# Altium PCB PCB1.PcbDoc (part 2 of 3)
Units mm, origin at the board's own origin, x right, y up, seen from the top; angles counter-clockwise.
Board outline 100 x 72 mm, 4 copper layers (Top Layer(signal), Int1 (GND), Int2 (3v3), Bottom Layer(powersupply_signals)), stack 1.509 mm thick; 175 components, 113 nets, 586 pads, 227 vias.
Unrouted connection lines stored in the file: 49.
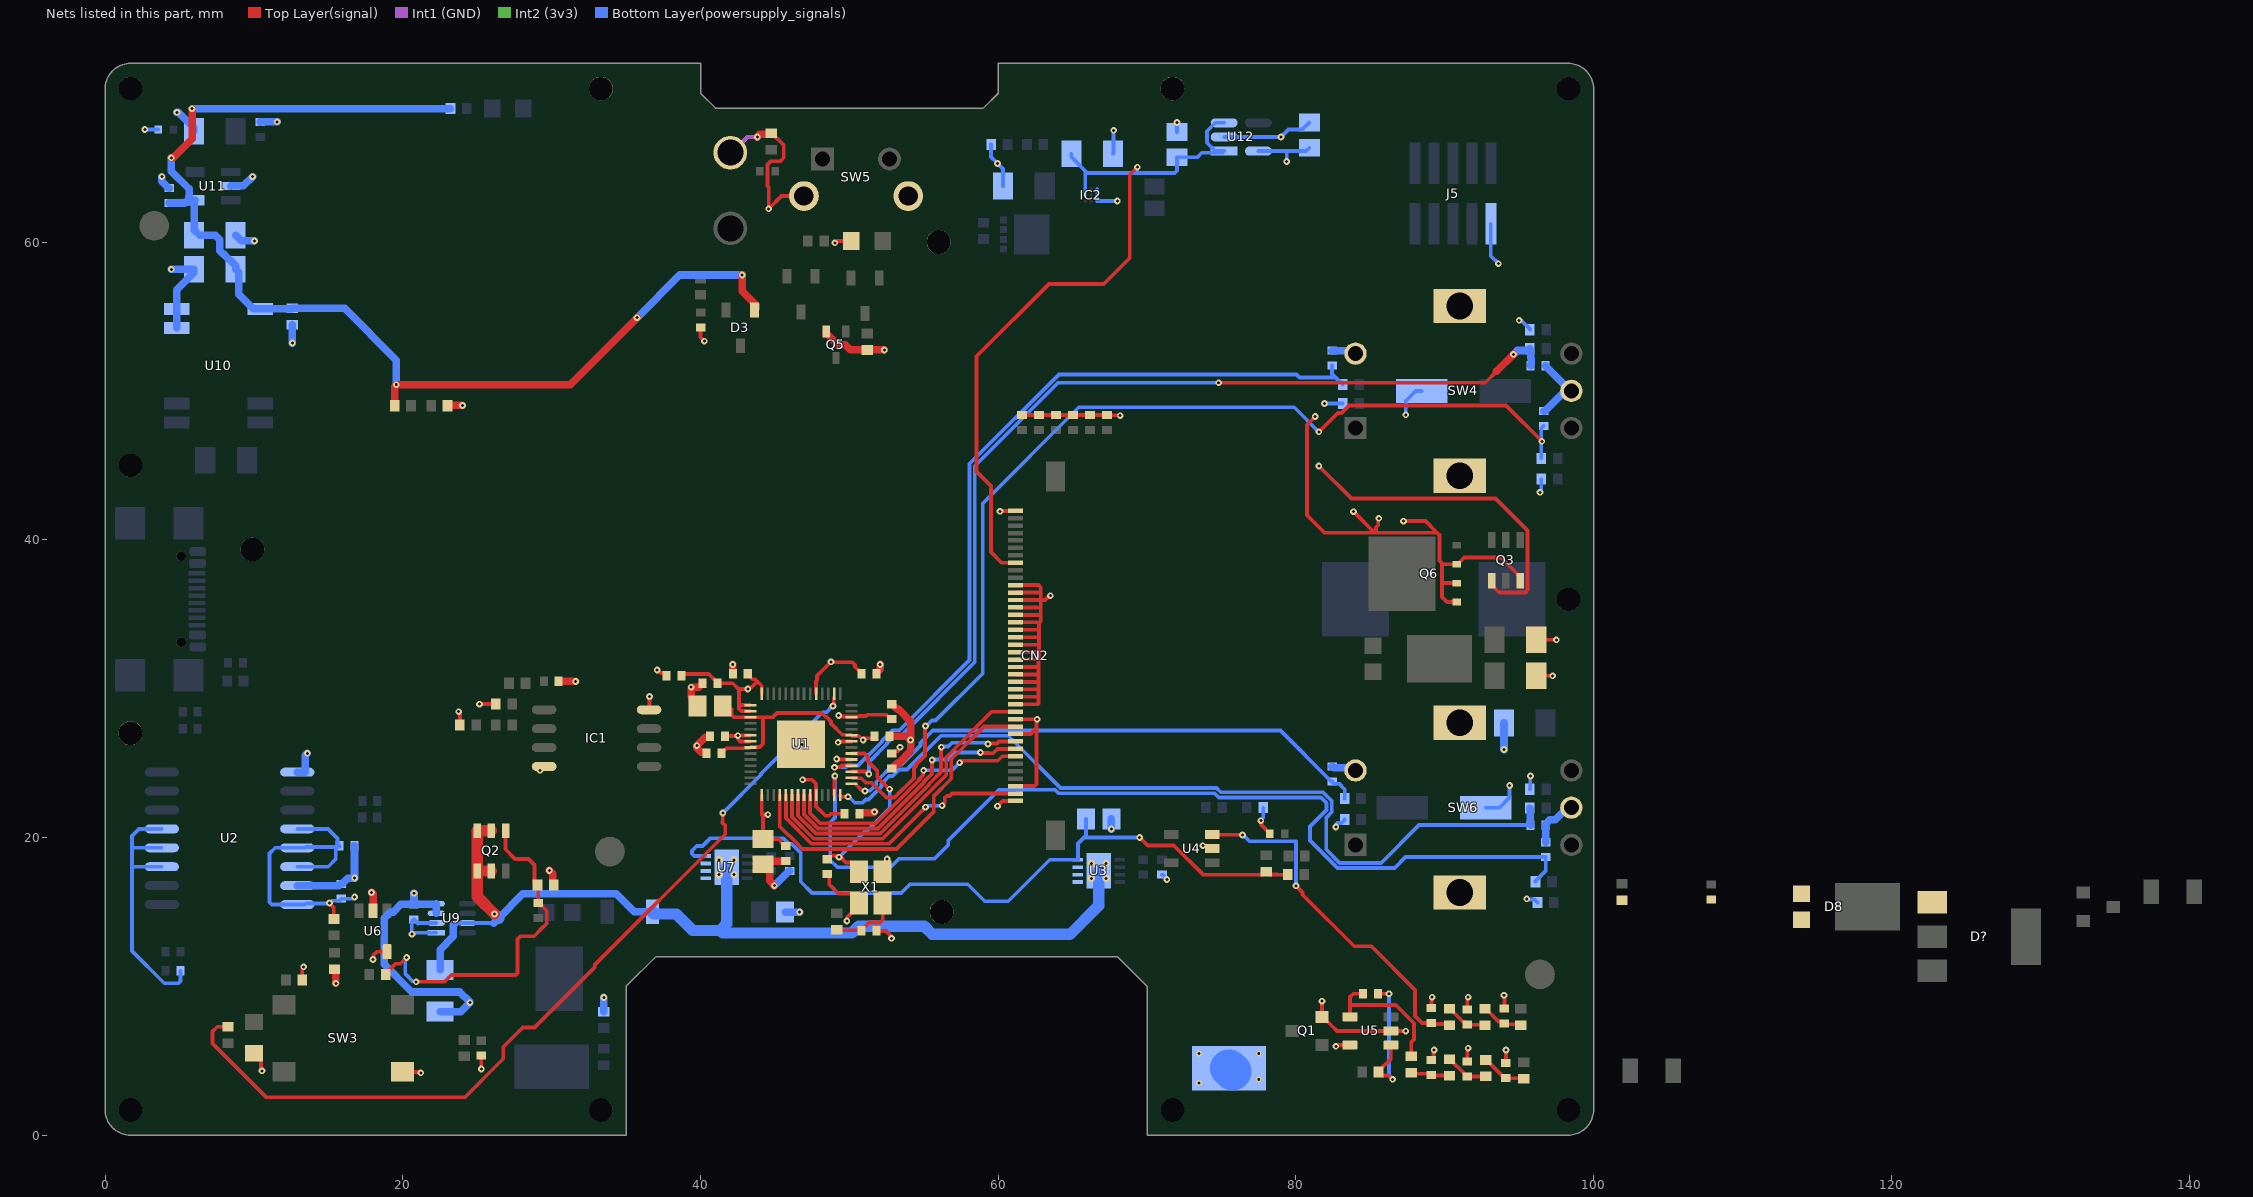
[diagram p4: the nets of this part, all layers, seen from the top]

## Part data (continued)
R8 R9 R10 R18 R20 R22 R23 R25 R29 R31 R39 R41 R42 R56 R59 R62: library part CMP-001-0000-9, "Surface Mount Chip Resistor, Thick Film, RC Series, 1 kohm, 62.5 mW, 1%, 50 V, 0402 [1005 Metric]", Case Code (Imperial)=0402, Case Code (Metric)=1005, LCSC Part#=C2935237, Max Operating Temperature=155°C, Min Operating Temperature=-55°C, Power Rating=62.5mW, Resistance=1k, Temperature Coefficient=100ppm/°C, Tolerance=1%, Voltage Rating=50V, Case/Package=0402, Composition="Thick Film", Depth=0.5mm, Height=0.32mm, Lead Free="Lead Free", Length=1mm, Military Standard=Not, Mount=SMD, Number of Pins=2, Packaging="Tape and Reel", REACH SVHC=Unknown, RoHS=Yes, Termination=SMD/SMT, Voltage Rating (DC)=50V, Width=0.5mm
R11: library part CMP-0001-00005-8, "Res Thick Film 0402 0 Ohm Molded SMD SMD Paper T/R", Case Code (Imperial)=0402, Case Code (Metric)=1005, LCSC Part#=C106231, Max Operating Temperature=155°C, Min Operating Temperature=-55°C, Power Rating=62.5mW, Resistance=0, Temperature Coefficient=200ppm/°C, Tolerance=1%, Voltage Rating=50V, Case/Package=0402, Composition="Thick Film", Contact Plating=Tin,Matte, Height=0.35mm, Lead Free="Lead Free", Length=1mm, Mount="Surface Mount", Packaging="Tape and Reel", Radiation Hardening=No, RoHS=Yes, Termination=SMD/SMT, Width=0.5mm
R12 R40 R44 R45 R64: library part CMP-0001-00006-6, "Res General Purpose Thick Film 0402 100K Ohm 1% 1/16W ±100ppm/°C Molded SMD Paper T/R", Case Code (Imperial)=0402, Case Code (Metric)=1005, LCSC Part#=C60491, Max Operating Temperature=155°C, Max Power Dissipation=63mW, Min Operating Temperature=-55°C, Package Quantity=1, Resistance=100k, Temperature Coefficient=100ppm/°C, Tolerance=1%, Voltage Rating=50V, Case/Package=0402, Composition="Thick Film", Depth=0.5mm, Features="Moisture Resistant", Height=0.016inch, Lead Free="Lead Free", Length=0.039inch, Military Standard=Not, Mount=SMD, Number of Terminations=2, Packaging="Tape and Reel", Power Rating=63mW, REACH SVHC="No SVHC", RoHS=Yes, Termination=SMD/SMT, Width=0.02inch, Working Voltage=50V
R13 R14 R15 R16 R53 R57: library part CMP-0001-00017-5, "Thick Film Resistors 24 OHM 1%", Case Code (Imperial)=0402, Case Code (Metric)=1005, LCSC Part#=C274890, Max Operating Temperature=155°C, Max Power Dissipation=63mW, Min Operating Temperature=-55°C, Resistance=24, Temperature Coefficient=100ppm/°C, Tolerance=1%, Voltage Rating=50V, Case/Package=0402, Composition="Thick Film", Depth=0.5mm, Features="Moisture Resistant", Height=0.016inch, Lead Free="Lead Free", Length=1mm, Military Standard=Not, Mount=SMD, Number of Pins=2, Number of Terminations=2, Packaging="Tape and Reel", Power Rating=63mW, REACH SVHC="No SVHC", RoHS=Yes, Termination=SMD/SMT, Voltage Rating (DC)=50V, Width=0.02inch, Working Voltage=50V
R26 R28 R30: library part CMP-001-0025-2, "Res General Purpose Thick Film 0402 2.7k Ohm 1% 1/16W ±100ppm/°C Molded Paper T/R", Case Code (Imperial)=0402, Case Code (Metric)=1005, LCSC Part#=C138017, Max Operating Temperature=155°C, Min Operating Temperature=-55°C, Power Rating=62.5mW, Resistance=2.7k, Temperature Coefficient=100ppm/°C, Tolerance=1%, Voltage Rating=50V, Case/Package=0402, Composition="Thick Film", Depth=0.5mm, Height=0.016inch, Lead Free="Lead Free", Length=0.039inch, Military Standard=Not, Mount=SMD, Packaging="Tape and Reel", REACH SVHC=Unknown, RoHS=Yes, Termination=SMD/SMT, Weight=2.3E-05oz, Width=0.02inch
R32 R33 R34 R35 R36 R37: library part CMP-001-0026-2, "Res Thick Film RC0402FR-07820KL 0402 820K Ohm 1% 0.063W(1/16W) ±100ppm/°C Pad SMD T/R", Case Code (Imperial)=0402, Case Code (Metric)=1005, LCSC Part#=C273727, Max Operating Temperature=155°C, Min Operating Temperature=-55°C, Power Rating=63mW, Resistance=820k, Temperature Coefficient=100ppm/°C, Tolerance=1%, Voltage Rating=50V, Case/Package=0402, Composition="Thick Film", Depth=0.5mm, Height=0.016inch, Lead Free="Lead Free", Lead Pitch=0.2mm, Length=1mm, Military Standard=Not, Mount=SMD, Number of Pins=2, Number of Terminations=2, Packaging="Tape and Reel", REACH SVHC=Unknown, RoHS=Yes, Termination=SMD/SMT, Voltage Rating (DC)=50V, Width=0.5mm, Working Voltage=50V
R43: library part CMP-0001-00007-5, "RES SMD 10 OHM 1% 1/16W 0402", Case Code (Imperial)=0402, Case Code (Metric)=1005, LCSC Part#=C138066, Max Operating Temperature=155°C, Min Operating Temperature=-55°C, Power Rating=63mW, Resistance=10, Temperature Coefficient=100ppm/°C, Tolerance=1%, Voltage Rating=50V, Case/Package=0402, Composition="Thick Film", Depth=0.5mm, Height=0.32mm, Lead Free="Lead Free", Length=1mm, Military Standard=Not, Mount=SMD, Number of Terminations=2, Packaging="Tape and Reel", REACH SVHC=Unknown, RoHS=Yes, Termination=SMD/SMT, Working Voltage=50V
R54: library part CMP-0001-00003-4, "Precision resistor, SMD 0.1 Ohm 0.33 W  ±  1 % 1206, ERJ8BSFR10V, Panasonic Automotive & Industrial Systems", Case Code (Imperial)=1206, Case Code (Metric)=3216, LCSC Part#=C2079636, Max Operating Temperature=125°C, Max Power Dissipation=500mW, Min Operating Temperature=-55°C, Package Quantity=5000, Power Rating=330mW, Resistance=0.1, Temperature Coefficient=250ppm/°C, Tolerance=1%, Case/Package=1206, Composition="Thick Film,Low-Ohm-Resistor", Contact Plating=Tin, Depth=1.6mm, Features="Automotive AEC-Q200", Height=0.6mm, Length=3.2mm, Military Standard=Not, Mount="Surface Mount", Number of Pins=2, Number of Terminations=2, Packaging="Tape and Reel", Radiation Hardening=No, REACH SVHC="No SVHC", RoHS=Yes, Termination=SMD/SMT, Width=0.063inch
R55: library part CMP-0001-00022-4, "Res Thick Film 0402 249 Ohm 1% 1/16W ±100ppm/°C Molded SMD Paper T/R", Case/Package=0402, LCSC Part#=C185439, Resistance=249, Tolerance=1%, Mount=SMD, RoHS=Yes
SW3: library part CMP-ROOT-00020-2, Case/Package=smd, LCSC Part#=C221880, Mount=SMD, RoHS=Yes
SW4 SW6: library part CMP-ROOT-00012-4, "BOURNS - PEC11R-4215F-S0024 - Rotary Encoder, Mechanical, Incremental, 24 PPR, 24 Detents, Vertical, With Momentary Push Switch", Case/Package=encoder, LCSC Part#=C143790, Max Operating Temperature=70°C, Min Operating Temperature=-30°C, Package Quantity=150, Built in Switch=Yes, Detent=Yes, Encoder Type=Mechanical, Height=13.4mm, Hole Diameter=1.8mm, Length=21.5mm, Mount="Through Hole,Panel,PCB", Number of Channels=2, Orientation=Vertical, Output Type=Quadrature,Incremental, Packaging=Bulk, Pins=5, Pulses per Revolution=24, Radiation Hardening=No, REACH SVHC="No SVHC", RoHS=Yes, Termination="PC Pins", Type=Mechanical, Width=12.5mm
SW5: library part CMP-ROOT-00037-2, "Switch Tactile OFF (ON) SPST Round Button PC Pins 0.05A 24VDC 1.57N Thru-Hole Loose Piece", Case/Package="Side Actuated", LCSC Part#=C266196, Mount="Through Hole", RoHS=Yes
TP1 TP2 TP3: library part CMP-003-0009-3, "2 mm singel sided testpoint", LCSC Part#=-, Mount=TH, Number of Positions=1, RoHS=Yes, System=Connector
U1: library part CMP-ROOT-00039-8, "ARM® Cortex®-M0+ series Microcontroller IC 32-Bit Dual-Core 133MHz - External Program Memory 56-QFN (7x7)", Case/Package="56-VFQFN Exposed Pad", LCSC Part#=C2040, Mount=SMD, RoHS=Yes
U2: library part CMP-00003-7, "Digital Isolator CMOS 4-CH 12Mbps 16-Pin SOIC T/R", Case/Package=SOIC, Isolated Power=No, LCSC Part#=C660968, Max Operating Temperature=105°C, Max Supply Voltage=5.5V, Min Operating Temperature=-40°C, Min Supply Voltage=3.1V, Nominal Supply Current=6mA, Package Quantity=1000, Channel Type=Bidirectional, Contact Plating=Tin,Matte, Data Rate=12Mbps, Lead Free="Contains Lead", Number of Channels=2, Number of Pins=16, Packaging="Tape and Reel", Propagation Delay=70ns, Turn-On Delay Time=60ns
U3 U7: library part CMP-00012-3, "LDO Regulator Pos 0V to 36V 1.1A 8-Pin DFN EP T/R", Case/Package=DFN, Dropout Voltage=1.35V, LCSC Part#=C670293, Max Input Voltage=36V, Max Operating Temperature=125°C, Min Current Limit=1.1A, Min Input Voltage=1.2V, Min Operating Temperature=-40°C, Operating Supply Current=300uA, Package Quantity=2500, Quiescent Current=500uA, Number of Outputs=1, Number of Pins=8, Number of Regulators=1, Output Current=1.1A, Output Voltage=36V, Packaging="Tape and Reel", Polarity=Positive, RoHS Compliant=Yes
U4 U5 U6: library part CMP-ROOT-0004-3, "Op Amp Single Precision Amplifier R-R I/O ±18V/36V Automotive 5-Pin SOT-23 T/R", Case/Package=SOT-23, Input Bias Current=103nA, Input Offset Voltage (Vos)=8mV, LCSC Part#=-, Max Dual Supply Voltage=16V, Max Operating Temperature=85°C, Max Power Dissipation=350mW, Max Supply Voltage=32V, Min Dual Supply Voltage=900mV, Min Operating Temperature=-40°C, Min Supply Voltage=1.8V, Nominal Supply Current=600uA, Operating Supply Current=720uA, Output Current=11mA, Output Current per Channel=11.7mA, Package Quantity=1, Power Supply Rejection Ratio (PSRR)=87dB, Voltage Gain=97.03dB, Bandwidth=4MHz, Common Mode Rejection Ratio=70dB, Contact Plating=Tin,Lead, Gain Bandwidth Product=4MHz, Lead Free="Contains Lead", Mount="Surface Mount", Number of Amplifiers=1, Number of Channels=1, Number of Circuits=1, Number of Elements=1, Number of Pins=5, Packaging="Tape and Reel", Power Dissipation=350mW, Radiation Hardening=No, REACH SVHC="No SVHC", RoHS=Yes, Slew Rate=1.25V/µs, Unity Gain Bandwidth Product=4MHz
U9: library part CMP-ROOT-00032-7, "40V, bi-directional, high-precision current sense amplifier w/ picoamp IB & ENABLE 8-SOT-23-THIN -40 to 125", Case/Package=SOT-23-8, LCSC Part#=C1852082, Mount=SMD, RoHS=Yes
U10: library part CMP-ROOT-00029-2, "DC DC Converter 5V 1W", Case/Package="14-SMD Module, 7 Leads", LCSC Part#=C919693, Mount=SMD, RoHS=Yes
U11: library part CMP-006-0003-5, "BATTERY CHARGER, 500mA, SOT23-5; Battery Type:Li-Ion, Li-Pol; Input Voltage:6V; Battery Charge Voltage:4.2V; Charge Current Max:500mA; Battery IC Case Style:SOT-23; No. of Pins:5; No. of Series Cells:1; Operating Temperature Max:85 C", Case/Package=SOT-23, LCSC Part#=C38066, Max Charge Current=500mA, Max Input Voltage=6V, Max Operating Temperature=85°C, Max Output Voltage=4.5V, Max Power Dissipation=1.54W, Min Operating Temperature=-40°C, Min Output Voltage=4.168V, Min Supply Voltage=3.75V, Output Current=10mA, Output Voltage=4.2V, Package Quantity=3000, Contact Plating=Tin,Matte, Height=1.3mm, Lead Free="Lead Free", Length=3.1mm, Max Output Current=500mA, Max Supply Voltage=6V, Mount="Surface Mount", Number of Cells=1, Number of Channels=1, Number of Outputs=1, Number of Pins=5, Packaging="Tape and Reel", Power Dissipation=1.54W, Radiation Hardening=No, REACH SVHC="No SVHC", Termination=SMD/SMT, Width=1.8mm
U12: library part CMP-00004-2, "300mA Low-Dropout (LDO) Regulator 5-SOT-23 -40 to 125", Case/Package=SOT-23-5, Dropout Voltage=270mV, LCSC Part#=C408972, Max Input Voltage=5.5V, Max Operating Temperature=125°C, Min Operating Temperature=-40°C, Min Output Voltage=3.3V, Output Current=300mA, Power Supply Rejection Ratio (PSRR)=28dB, Quiescent Current=60uA, Mount="Surface Mount", Number of Regulators=1, Output Configuration=Positive, Output Type=Fixed, Packaging="Cut Tape"
X1: library part CMP-ROOT-00046-2, "Crystal 12MHz ±30ppm (Tol) ±30ppm (Stability) 18pF FUND 80Ohm 4-Pin SMD T/R", Case/Package=SMD/SMT, LCSC Part#=C1985665, Mount="Surface Mount", RoHS=Yes

## Free pads (board coordinates)
  round 1.6 hole 1.6: 0(1.7,1.7) 0(1.7,27) 0(1.7,45) 0(9.9,39.35) 0(33.3,1.7) 0(33.3,70.3) 0(56,60) 0(56.2,15) 0(71.7,1.7) 0(71.7,70.3) 0(98.3,36) 1(98.3,1.7) 2(98.3,70.3) 3(1.7,70.3)

## Via types
v1: diameter 0.45, hole 0.2, Top Layer(signal) to Bottom Layer(powersupply_signals), tented both sides, 207 vias
v2: diameter 0.4, hole 0.2, Top Layer(signal) to Bottom Layer(powersupply_signals), tented both sides, 12 vias
v3: diameter 0.5, hole 0.2, Top Layer(signal) to Bottom Layer(powersupply_signals), tented both sides, 8 vias

## Nets (pads, with @x,y where several pads share a name; then routed paths per layer and width w, separated by ;. In a path a pad name is that pad's centre, name@x,y a point inside that pad or via, vN(x,y) a via of type N, cw(c..) or ccw(c..) an arc to the next point about the centre after c; other vN are vias at no path point)
1V1: C3.2 C4.2 C5.2 U1.23 U1.45 U1.50 | length 16.7
  Top Layer(signal) w0.254: C4.2@41.394,25.654 41.394,25.704 41.537,25.847 41.587,25.847 41.724,25.984 42.914,25.984 42.939,26.009 43.308,26.009 U1.50@43.346,26.047 43.385,26.085 43.992,26.085 44.196,26.289 44.196,28.067 ; C3.2@41.49,28.829 41.709,28.61 42.09,28.61 42.09,28.228 42.239,28.079 U1.45@43.346,28.079 43.358,28.067 44.196,28.067 ; C5.2@51.697,26.797 51.57,26.67 50.969,26.67 50.969,26.585 v1(50.927,26.543) 50.77,26.699 50.762,26.699 50.665,26.796 50.652,26.796 50.626,26.822 50.192,26.822 50.116,26.898 49.524,26.898 48.768,27.653 48.768,27.792 48.455,28.104 48.392,28.104 48.133,28.363 45.127,28.363 44.831,28.067 44.196,28.067
3V3: C6.2 C7.2 C8.2 C9.2 C10.2 C11.2 C12.2 C13.2 C14.2 C16.2 C26.1 C27.1 C41.2 C48.2 CN2.3 CN2.10 CN2.12 IC1.8 Q3.1 R7.2 R17.2 R19.2 R21.2 R40.2 R47.2 R49.2 R51.2 R58.2 U1.1 U1.10 U1.22 U1.26 U1.33 U1.42 U1.43 U1.44 U1.48 U1.49 U2.12 U2.13 U2.14 U2.16 U5.5 U6.5 U9.1 U9.2 U12.5 | length 107.6
  Top Layer(signal) w0.254: R47.2@13.25,10.414 13.25,11.218 v1(13.335,11.303) ; v1(15.08,15.591) 15.08,15.538 15.367,15.251 R40.2@15.367,14.52 ; v1(18,11.8) 18.038,11.838 18.038,12.094 18.269,12.325 U6.5@18.95,12.325 ; v1(25.146,28.956) R7.2@26.247,28.956 ; IC1.8@36.545,28.575 36.576,28.606 v1(36.576,29.464) ; C12.2@38.727,30.861 38.854,30.988 40.555,30.988 C11.2@41.14,30.403 ; C11.2@41.14,30.353 42.164,30.353 42.582,29.935 ; C41.2@41.648,26.797 41.666,26.815 42.484,26.815 v1(42.503,26.834) ; C7.2@43.172,30.988 43.172,30.938 43.481,30.629 43.666,30.629 43.815,30.48 ; U1.49@43.346,26.453 42.651,26.453 42.54,26.564 42.54,26.796 v1(42.503,26.834) ; U1.48@43.346,26.86 43.334,26.847 42.516,26.847 v1(42.503,26.834) ; U1.44@43.346,28.485 42.731,28.485 42.582,28.634 42.582,28.892 ; U1.43@43.346,28.892 42.582,28.892 ; U1.1@44.108,22.846 44.108,21.533 ; U1.42@44.108,29.654 44.108,30.187 43.815,30.48 ; v1(44.52,21.533) 44.108,21.533 ; C13.2@45.72,19.423 45.67,19.423 45.392,19.701 45.392,19.751 45.243,19.9 C6.2@44.196,19.9 44.196,21.445 44.108,21.533 ; v1(46.863,23.876) 47.498,23.876 47.766,23.608 U1.10@47.766,22.846 47.766,22.084 48.387,21.463 48.641,21.463 48.768,21.59 C10.2@49.665,21.59 ; U1.33@47.766,29.654 47.766,30.494 47.828,30.556 47.828,30.859 v1(48.768,31.799) 48.792,31.775 50.199,31.775 50.378,31.595 50.378,31.468 50.808,31.038 C14.2@50.808,30.988 ; v1(49.247,26.387) 49.3,26.387 49.366,26.453 U1.22@50.154,26.453 ; v1(49.276,28.194) 49.329,28.194 49.406,28.117 50.116,28.117 U1.26@50.154,28.079 50.192,28.117 50.566,28.117 50.591,28.142 50.665,28.142 50.68,28.157 51.118,28.157 51.204,28.243 52.487,28.243 52.782,27.948 C9.2@52.832,27.948 ; C8.2@52.832,25.646 52.975,25.789 53.257,25.789 53.257,25.857 53.406,26.006 v1(53.406,26.059) ; CN2.3@61.15,23.45 62.425,23.45 62.573,23.599 62.573,27.341 ; CN2.10@61.15,26.95 62.182,26.95 62.573,27.341 ; CN2.12@61.15,27.95 61.16,27.94 61.165,27.945 62.606,27.945 v1(62.611,27.94) 62.573,27.902 62.573,27.341 ; v1(81.534,44.958) 83.725,42.767 93.407,42.767 95.561,40.613 95.561,36.603 95.412,36.454 93.661,36.454 93.157,36.958 Q3.1@93.157,37.233 ; v1(82.677,5.969) 82.758,6.05 U5.5@83.625,6.05 ; 42.582,28.892 42.582,29.935 ; 42.582,29.935 42.619,29.972 43.233,29.972 43.331,30.07 43.405,30.07 43.815,30.48
  Bottom Layer(powersupply_signals) w0.254: U2.14@12.91,18.034 14.986,18.034 15.494,18.542 C26.1@15.494,19.359 ; U2.12@12.91,20.574 14.971,20.574 15.613,19.932 15.613,19.574 C26.1@15.756,19.431 ; C26.1@15.756,19.381 C26.1@15.756,19.431 ; C27.1@15.875,15.883 15.732,15.74 15.282,15.74 15.133,15.591 v1(15.08,15.591) 15.042,15.553 13.499,15.553 13.44,15.494 U2.16@12.91,15.494 11.198,15.494 11.049,15.643 11.049,18.923 11.43,19.304 U2.13@12.91,19.304 13.44,19.304 13.495,19.359 C26.1@15.494,19.359 ; C27.1@15.925,15.883 16.643,15.883 16.762,16.002 v1(16.764,16.002) ; v1(20.623,13.5) 20.605,13.518 20.605,14.357 20.748,14.5 C48.2@20.75,14.5 21.025,14.225 ; v1@20.65,13.6 U9.1@22.25,13.6 ; C48.2@21.05,14.25 U9.2@22.25,14.25 ; v1(53.406,26.059) v1@53.443,26.059 ; U12.5@77.477,66.106 79.375,66.106 ; v1(79.375,65.405) 79.375,66.106 ; C16.2@80.899,66.333 80.672,66.106 79.375,66.106 ; v1(81.915,49.149) R51.2@83.143,49.149 ; v1(82.677,20.701) 82.715,20.739 82.715,20.904 82.772,20.961 83.072,20.961 83.27,21.159 R49.2@83.27,21.209 ; v1(94.996,54.737) 95.131,54.737 95.716,54.152 R21.2@95.716,54.102 ; v1(95.504,15.875) 95.542,15.837 96.026,15.837 96.224,15.639 R17.2@96.224,15.621 ; R58.2@95.716,23.241 95.737,23.262 95.737,24.109 v1(95.758,24.13) ; v1(96.393,43.18) 96.393,43.233 96.478,43.318 R19.2@96.478,44.069 ; C26.1@15.494,19.359 15.685,19.359 C26.1@15.756,19.431
  other v1: 43.18,29.972
5V: C15.2 C47.2 CN2.33 IC2.A1 IC2.A2 U12.1 U12.3 | length 52.4
  Top Layer(signal) w0.254: CN2.33@61.15,38.45 60.229,38.45 59.514,39.165 59.514,43.61 58.547,44.577 58.547,52.324 63.41,57.187 67.093,57.187 68.834,58.928 68.834,64.516 v1(69.342,65.024)
  Bottom Layer(powersupply_signals) w0.254: C47.2@64.911,65.931 64.911,65.706 65.85,64.767 ; IC2.A2@65.85,63.15 IC2.A1@65.85,63.55 65.85,64.643 65.85,64.767 ; v1(69.342,65.024) 69.343,65.023 69.343,64.643 ; U12.3@75.177,68.006 74.58,68.006 74.02,67.446 74.02,66.666 74.58,66.106 U12.1@75.177,66.106 75.064,65.994 73.673,65.994 73.377,65.698 C15.2@72.009,65.698 72.009,64.792 71.86,64.643 69.343,64.643 ; 65.85,64.767 65.974,64.643 69.343,64.643
DISPLAY_D/C: CN2.8 U1.8 | length 18.7
  Top Layer(signal) w0.254: U1.8@46.953,22.846 46.953,21.543 47.892,20.604 51.93,20.604 55.02,23.694 55.02,23.752 55.548,24.28 55.548,24.742 ; 55.548,24.742 55.548,25.192 v1(55.558,25.202) ; v1(58.801,25.703) 58.839,25.665 59.4,25.665 59.411,25.654 59.652,25.654 59.948,25.95 CN2.8@61.15,25.95
  Bottom Layer(powersupply_signals) w0.254: v1(55.558,25.202) 55.587,25.231 56.639,25.231 57.111,25.703 v1(58.801,25.703)
DISPLAY_NCS: CN2.9 U1.7 | length 20.1
  Top Layer(signal) w0.254: U1.7@46.547,22.846 46.547,21.463 47.749,20.26 52.073,20.26 55.364,23.552 55.364,23.61 56.159,24.405 56.159,26.056 v1(56.172,26.069) ; v1(59.309,26.277) 59.347,26.315 59.907,26.315 60.042,26.45 CN2.9@61.15,26.45
  Bottom Layer(powersupply_signals) w0.254: v1(56.172,26.069) 56.209,26.106 56.626,26.106 56.887,26.367 59.166,26.367 59.256,26.277 v1(59.309,26.277)
DISPLAY_RST: CN2.7 U1.9 | length 17.4
  Top Layer(signal) w0.254: U1.9@47.36,22.846 47.36,21.623 48.034,20.948 51.788,20.948 54.676,23.837 54.676,23.895 54.967,24.186 54.967,24.487 v1(54.991,24.511) ; v1(57.404,25.019) 57.531,25.146 59.966,25.146 60.269,25.449 CN2.7@61.15,25.45 CN2.7@61.15,25.45
  Bottom Layer(powersupply_signals) w0.254: v1(54.991,24.511) 56.896,24.511 v1(57.404,25.019)
DISPLAY_SCL: CN2.11 U1.4 | length 23.4
  Top Layer(signal) w0.254: U1.4@45.328,22.846 45.328,20.734 45.923,20.138 45.954,20.138 46.549,19.543 46.549,19.512 46.833,19.228 53.163,19.228 55.674,21.74 55.674,22.775 56.847,23.948 56.847,25.25 59.047,27.45 CN2.11@61.15,27.45
DISPLAY_SDI: CN2.2 U1.5 | length 19.3
  Top Layer(signal) w0.254: U1.5@45.734,22.846 45.734,21.303 47.464,19.572 52.659,19.572 v1(55.117,22.031) ; v1(56.231,22.131) 56.231,22.184 56.399,22.352 56.399,22.651 56.54,22.792 56.739,22.792 56.897,22.95 CN2.2@61.15,22.95
  Bottom Layer(powersupply_signals) w0.254: v1(55.117,22.031) 55.17,22.031 55.271,22.131 v1(56.231,22.131)
DISPLAY_SDO: CN2.13 U1.6 | length 21.3
  Top Layer(signal) w0.254: U1.6@46.14,22.846 46.14,21.383 47.607,19.916 52.215,19.916 56.503,24.204 56.503,25.392 59.561,28.45 CN2.13@61.15,28.45
ENCODER_A_CURRENT: C17.2 R18.1 U1.13 | length 65.2
  Top Layer(signal) w0.254: U1.13@48.985,22.846 49.004,22.865 49.004,24.112 v1(49.022,24.13)
  Bottom Layer(powersupply_signals) w0.254: v1(49.022,24.13) 49.035,24.117 49.035,21.338 48.719,21.022 48.719,18.469 49.194,17.994 52.768,17.994 53.349,18.575 55.731,18.575 56.642,19.486 56.642,19.786 60.06,23.204 63.813,23.204 64.044,22.973 74.523,22.973 74.808,22.688 81.675,22.688 81.855,22.508 81.859,22.508 82.057,22.31 82.057,21.849 80.936,20.728 80.936,19.797 82.789,17.944 86.632,17.944 87.365,18.677 C17.2@96.774,18.677 96.774,17.745 96.097,17.068 R18.1@96.097,17.018
ENCODER_A_VOLTAGE: C28.2 R20.1 U1.16 | length 70.7
  Top Layer(signal) w0.254: U1.16@50.154,24.015 50.192,23.977 50.801,23.977 51.106,23.671 51.487,23.671 52.474,22.684 53.037,22.684 54.332,23.979 54.332,24.64 54.483,24.791 54.483,24.892 55.081,25.49 55.081,27.444 v1(55.118,27.481) ; v1(81.534,47.244) 82.804,48.514 83.052,48.514 83.56,49.022 94.11,49.022 v1(96.52,46.612)
  Bottom Layer(powersupply_signals) w0.254: v1(55.118,27.481) 55.171,27.481 55.538,27.848 55.788,27.848 58.965,31.025 58.965,42.455 65.405,48.895 79.883,48.895 v1(81.534,47.244) ; R20.1@96.478,45.466 v1@96.478,46.609 ; v1@96.478,46.612 96.478,47.49 96.621,47.633 C28.2@96.647,47.633 ; v1@96.52,46.609 v1(96.52,46.612)
ENCODER_B_CURRENT: C18.2 R59.1 U1.14 | length 56.8
  Top Layer(signal) w0.254: U1.14@49.392,22.846 49.392,22.771 49.43,22.733 v1(49.911,22.733)
  Bottom Layer(powersupply_signals) w0.254: v1(49.911,22.733) 49.962,22.733 50.365,22.33 50.879,22.33 51.106,22.557 51.285,22.557 52.148,23.42 52.148,23.599 52.679,24.13 52.908,24.13 53.338,24.56 53.875,24.56 56.149,26.834 60.669,26.834 64.186,23.317 74.665,23.317 74.95,23.032 81.818,23.032 81.998,22.852 82.001,22.852 82.401,22.452 82.401,21.706 82.042,21.347 82.042,19.177 82.931,18.288 85.725,18.288 88.265,20.828 C18.2@95.766,20.828
  Bottom Layer(powersupply_signals) w0.508: R59.1@95.716,21.971 95.716,21.944 95.75,21.91 95.75,20.844 C18.2@95.766,20.828
ENCODER_B_VOLTAGE: C29.2 R22.1 U1.17 | length 66.9
  Top Layer(signal) w0.254: U1.17@50.154,24.421 51.091,24.421 51.255,24.257 v1(51.308,24.257) ; v1(74.803,50.546) 92.71,50.546 93.472,51.308
  Top Layer(signal) w0.508: 93.472,51.308 v1(94.615,52.451)
  Bottom Layer(powersupply_signals) w0.254: v1(51.308,24.257) 51.308,25.068 52.529,26.289 52.529,26.354 53.03,26.855 53.499,26.855 58.42,31.776 58.42,44.958 64.008,50.546 v1(74.803,50.546)
  Bottom Layer(powersupply_signals) w0.508: v1(94.615,52.451) 94.875,52.711 95.645,52.711 R22.1@95.716,52.782 ; R22.1@95.716,52.832 R22.1@95.716,52.782 ; C29.2@95.766,51.689 95.766,51.739 95.819,51.792 95.819,52.203 95.787,52.235 95.787,52.711 R22.1@95.716,52.782
ENCODER_SWITCH_CURRENT: C45.2 R50.2 U1.15 | length 37.2
  Top Layer(signal) w0.254: U1.15@50.433,23.57 50.852,23.152 51.016,23.152 v1(51.054,23.114)
  Bottom Layer(powersupply_signals) w0.254: v1(51.054,23.114) 51.078,23.138 51.379,23.138 51.804,23.563 51.804,23.741 52.967,24.904 53.505,24.904 54.777,26.177 54.777,26.352 55.603,27.178 78.952,27.178 82.373,23.757 C45.2@82.423,23.757 82.566,23.614 82.886,23.614 83.273,23.227 83.273,22.609 R50.2@83.27,22.606
ENCODER_SWITCH_VOLTAGE: C46.2 R52.2 U1.18 | length 55.2
  Top Layer(signal) w0.254: v1(49.002,24.709) 49.009,24.716 49.38,24.716 49.491,24.828 U1.18@50.154,24.828
  Bottom Layer(powersupply_signals) w0.254: v1(49.002,24.709) 49.742,24.709 49.861,24.828 50.582,24.828 52.185,26.431 52.185,26.496 52.888,27.199 53.357,27.199 58.076,31.918 58.076,45.1 64.079,51.103 80.046,51.103 80.243,50.906 82.656,50.906 ; C46.2@82.423,51.697 82.423,51.139 82.656,50.906 ; R52.2@83.143,50.419 83.143,50.469 82.945,50.667 82.895,50.667 82.656,50.906
GND: C1.1 C2.1 C3.1 C4.1 C5.1 C6.1 C7.1 C8.1 C9.1 C10.1 C11.1 C12.1 C13.1 C14.1 C15.1 C16.1 C17.1 C18.1 C19.2 C20.2 C21.1 C22.1 C26.2 C27.2 C28.1 C29.1 C30.1 C31.1 C32.1 C33.1 C34.1 C35.1 C37.1 C38.1 C39.1 C41.1 C42.1 C43.1 C44.1 C45.1 C46.1 C47.1 C48.1 C49.1 C50.1 C52.1 C53.1 C54.1 C55.1 C56.1 C57.1 C58.1 C59.1 CN2.1 CN2.14 CN2.15 CN2.16 CN2.17 CN2.18 CN2.19 CN2.20 CN2.21 CN2.22 CN2.23 CN2.24 CN2.25 CN2.26 CN2.27 CN2.28 CN2.29 CN2.30 CN2.40 D8.2 D?.1 IC1.4 IC2.C1 IC2.C2 IC2.C3 J2.2 J4.1 J5.1 LED1.1 LED4.1 pad.0@1.7,27 pad.0@9.9,39.35 pad.0@33.3,70.3 pad.0@56,60 pad.0@56.2,15 pad.0@71.7,70.3 Q1.2 Q3.3 Q5.2 Q6.1 R1.2 R2.2 R3.2 R4.2 R5.2 R6.2 R11.1 R25.1 R26.1 R28.1 R41.1 R43.1 R45.2 R55.1 R61.1 R62.1 R65.1 R70.1 R75.1 SW3.4 SW4.2 SW4.4 SW4.6 SW4.7 SW5.3 SW5.4 SW6.2 SW6.4 SW6.6 SW6.7 U1.19 U1.57 U2.9 U2.15 U4.2 U5.2 U6.2 U9.3 U9.4 U10.6 U10.7 U11.2 U12.2 X1.2 X1.4 | length 237.6
  Top Layer(signal) w0.254: LED4.1@10,5.5 10.05,5.5 10.473,5.077 10.473,4.439 10.541,4.371 v1(10.541,4.318) ; SW3.4@19.975,4.25 21.15,4.25 v1(21.209,4.191) ; v1(23.749,28.448) 23.834,28.363 R11.1@23.834,27.559 ; v1(25.273,4.445) C44.1@25.273,5.342 ; v1(37.084,31.242) 37.137,31.242 37.325,31.054 37.584,31.054 37.727,30.911 C12.1@37.727,30.861 ; C43.1@40,54.25 40,53.599 v1(40.259,53.34) ; R75.1@44.75,67.3 44.8,67.3 45.593,66.507 45.593,65.659 45.366,65.432 44.731,65.432 44.504,65.205 44.504,63.743 44.577,63.67 v1(44.577,62.23) 45.437,63.09 SW5.3@46.945,63.09 ; C1.1@48.514,17.534 48.641,17.407 48.641,16.842 48.821,16.662 48.829,16.662 49.223,16.268 49.276,16.268 ; v1(49.022,59.944) 49.075,59.944 49.202,60.071 LED1.1@50.131,60.071 ; v1(49.149,25.273) 49.188,25.234 U1.19@50.154,25.234 ; 49.293,16.23 49.367,16.23 49.387,16.21 50.162,16.21 50.635,15.737 50.635,15.437 49.863,14.665 49.863,14.428 v1(49.826,14.391) ; C2.1@51.808,13.716 52.459,13.716 52.787,13.388 52.787,13.264 v1(52.825,13.227) ; X1.4@52.235,17.687 52.537,17.989 v1(52.537,18.551) ; v1(59.944,22.098) 60.296,22.45 CN2.1@61.15,22.45 ; v1(60.12,41.91) 60.14,41.93 61.13,41.93 CN2.40@61.15,41.95 ; CN2.14@61.15,28.95 62.67,28.95 62.707,28.987 62.707,29.464 ; CN2.15@61.15,29.45 62.693,29.45 62.707,29.464 ; CN2.16@61.15,29.95 62.685,29.95 62.707,29.972 ; CN2.17@61.15,30.45 62.677,30.45 62.707,30.48 ; CN2.18@61.15,30.95 62.669,30.95 62.707,30.988 ; CN2.19@61.15,31.45 62.661,31.45 62.707,31.496 ; CN2.20@61.15,31.95 61.173,31.973 62.707,31.973 ; CN2.21@61.15,32.45 62.673,32.45 62.738,32.385 ; CN2.22@61.15,32.95 62.681,32.95 62.738,32.893 ; CN2.23@61.15,33.45 62.689,33.45 62.738,33.401 ; CN2.24@61.15,33.95 62.697,33.95 62.738,33.909 ; CN2.25@61.15,34.45 62.819,34.45 ; CN2.26@61.15,34.95 62.833,34.95 62.858,34.925 ; CN2.27@61.15,35.45 62.841,35.45 62.858,35.433 ; CN2.28@61.15,35.95 62.858,35.95 ; CN2.29@61.15,36.45 62.73,36.45 62.858,36.322 ; CN2.30@61.15,36.95 62.709,36.95 62.858,36.801 62.858,36.322 ; R6.2@61.595,48.379 R5.2@62.738,48.379 R4.2@63.881,48.379 R3.2@65.024,48.379 R2.2@66.167,48.379 R1.2@67.31,48.379 67.33,48.359 68.171,48.359 v1(68.191,48.338) ; v1(63.5,36.244) 63.447,36.244 63.153,35.95 62.858,35.95 ; v1(73.741,19.445) 73.779,19.408 74.217,19.408 U4.2@74.375,19.25 ; v1(77.64,21.131) 77.677,21.093 77.677,20.84 78.242,20.275 R26.1@78.242,20.25 ; v1(81.293,48.273) 80.743,47.723 80.743,41.646 81.916,40.473 85.277,40.473 ; v1(81.75,9) Q1.2@81.75,7.95 81.8,7.95 82.432,7.318 82.75,7 U5.2@86.375,7 87.361,7 v1(87.376,6.985) ; v1(83.863,41.887) 85.277,40.473 ; 85.385,40.473 85.385,40.832 85.525,40.972 85.525,41.4 v1(85.563,41.437) ; v1(87.23,41.25) 88.7,41.25 89.477,40.473 ; C39.1@89.104,5.041 89.138,5.041 89.281,5.184 89.243,5.184 89.243,5.677 v1(89.281,5.715) ; C35.1@89.104,8.541 89.104,9.221 v1(89.154,9.271) ; 89.807,38.42 89.642,38.585 89.642,40.308 89.477,40.473 ; Q6.1@90.797,35.814 90.136,35.814 89.807,36.143 89.807,37.084 ; Q6.1@90.797,37.084 89.807,37.084 ; Q6.1@90.797,38.354 89.807,38.354 89.807,37.084 ; Q6.1@90.885,38.387 91.309,38.811 93.754,38.811 95.057,37.508 Q3.3@95.057,37.233 ; C38.1@91.504,4.941 91.504,5.779 v1(91.567,5.842) ; C34.1@91.504,8.441 91.504,9.208 v1(91.567,9.271) ; v1(93.98,9.398) 94,9.378 C33.1@94,8.5 ; C37.1@94.104,4.841 94.104,5.712 v1(94.107,5.715) ; C22.1@96.142,30.861 v1(97.242,30.861) ; C55.1@96.142,33.274 v1(97.492,33.274) ; 62.707,29.464 62.707,29.972 ; 62.707,29.972 62.707,30.48 ; 62.707,30.48 62.707,30.988 ; 62.707,30.988 62.707,31.496 ; 62.707,31.496 62.707,31.973 ; 62.707,31.973 62.738,32.004 62.738,32.385 ; 62.738,32.385 62.738,32.893 ; 62.738,32.893 62.738,33.401 ; 62.738,33.401 62.738,33.909 ; 62.738,33.909 62.738,34.369 62.819,34.45 ; 62.819,34.45 62.858,34.489 62.858,34.925 ; 62.858,34.925 62.858,35.433 ; 62.858,35.433 62.858,35.95 ; 62.858,35.95 62.858,36.322 ; 85.277,40.473 89.477,40.473
  Top Layer(signal) w0.508: R41.1@15.4,11.15 15.429,11.15 15.5,11.079 v1(15.5,10.2) ; v1(17.9,16.3) 18,16.2 U6.2@18,15.075 ; R61.1@23,49 23.022,49.022 v1(24.003,49.022) ; v1(29.845,17.78) 30.079,17.546 30.079,16.871 R43.1@30.15,16.8 ; C42.1@30.472,30.48 v1(31.615,30.48) ; C3.1@39.79,28.829 39.444,29.175 39.444,29.381 39.37,29.455 v1(39.37,30.099) 39.886,30.099 C11.1@40.14,30.353 ; C4.1@40.394,25.654 40.394,25.704 40.378,25.72 40.057,25.72 39.751,26.026 v1(39.751,26.162) 40.325,26.736 40.632,26.736 40.648,26.752 C41.1@40.648,26.797 ; v1(42.164,31.623) 42.164,30.996 C7.1@42.172,30.988 ; v1(43.815,67.056) 43.988,67.229 44.679,67.229 R75.1@44.75,67.3 ; v1(44.958,16.764) 44.642,17.08 44.642,17.854 44.296,18.2 C6.1@44.196,18.2 44.403,18.407 45.704,18.407 C13.1@45.72,18.423 ; U1.57@46.75,26.25 v1(46.824,26.25) ; Q5.2@48.45,54 48.45,53.858 49.208,53.1 49.713,53.1 50.063,52.75 R45.2@51.2,52.75 v1(52.35,52.75) ; C10.1@50.665,21.59 50.665,21.64 50.681,21.656 51.628,21.656 v1(51.689,21.717) ; C14.1@51.808,30.988 51.808,31.038 52.07,31.3 v1(52.07,31.623) ; C5.1@52.697,26.797 52.707,26.807 53.838,26.807 v1(54.102,26.543) ; C8.1@52.832,24.646 52.848,24.662 52.898,24.662 53.231,24.995 53.31,24.995 54.136,25.821 54.136,26.509 v1(54.102,26.543) ; C9.1@52.832,28.948 52.882,28.948 53.231,28.599 53.31,28.599 54.136,27.773 54.136,26.577 v1(54.102,26.543)
  Int1 (GND) w0.254: J2.2@42,66 42.1,66 43.156,67.056 v1(43.815,67.056)
  Int2 (3v3) w0.254: J2.2@42,66 42.1,66 43.156,67.056 v1(43.815,67.056)
  Bottom Layer(powersupply_signals) w0.254: v1(2.667,67.564) R28.1@3.556,67.564 ; J2.2@42,66 42.1,66 43.156,67.056 v1(43.815,67.056) ; R70.1@59.521,66.548 59.521,65.712 59.944,65.289 v1(59.944,65.278) 60.325,64.897 60.325,63.757 C56.1@60.322,63.754 ; IC2.C3@66.65,62.75 v1(68,62.75) ; IC2.C2@66.65,63.15 66.65,62.78 IC2.C3@66.663,62.767 ; IC2.C1@66.65,63.55 66.65,63.16 IC2.C2@66.656,63.155 ; C47.1@67.711,65.931 67.75,65.97 v1(67.75,67.5) ; C58.1@71,17.5 71.05,17.5 71.287,17.263 71.287,17.207 v1(71.325,17.169) ; C15.1@72.009,67.398 v1(72.009,68.023) ; U12.2@75.177,67.056 v1(78.994,67.056) 79.498,67.56 80.426,67.56 C16.1@80.899,68.033 ; v1(77.64,21.131) 77.64,21.184 77.8,21.344 R65.1@77.8,22 ; v1(87.376,48.387) 87.376,49.327 88.049,50 C19.2@88.45,50 ; C20.2@92.75,22 93.675,22 94.348,22.673 94.348,23.482 v1(94.361,23.495) ; J5.1@93.091,61.214 93.091,59.055 v1(93.599,58.547)
  Bottom Layer(powersupply_signals) w0.508: v1(3.81,64.389) 3.81,64.077 4.268,63.619 C50.1@4.318,63.619 ; v1(4.445,58.166) C52.1@5.966,58.166 5.966,57.941 4.82,56.795 U10.7@4.82,55.499 U10.6@4.82,54.229 ; v1(4.826,68.707) 4.921,68.707 5.966,67.662 C53.1@5.966,67.437 ; U11.2@8.439,63.754 8.46,63.775 9.292,63.775 v1(9.906,64.389) ; C49.1@8.766,60.452 9.147,60.071 v1(10.033,60.071) ; C54.1@10.464,68.064 C54.1@10.414,68.064 10.422,68.072 v1(11.557,68.072) ; v1(12.573,53.213) R55.1@12.573,54.441 ; U2.15@12.91,16.764 15.706,16.764 15.825,16.883 C27.2@15.875,16.883 15.925,16.883 16.314,17.272 v1(16.764,17.272) 16.756,17.28 C26.2@16.756,19.431 ; U2.9@12.91,24.384 13.44,24.384 13.44,25.505 v1(13.589,25.654) ; v1(20.75,16.25) C48.1@20.75,15.5 ; U9.3@22.25,14.9 U9.4@22.25,15.55 22.216,15.516 20.766,15.516 C48.1@20.75,15.5 ; C31.1@22.5,8.3 23.9,8.3 v1(24.5,8.9) 24.5,8.953 23.837,9.616 20.617,9.616 18.759,11.474 18.759,14.581 19.16,14.981 19.349,14.981 19.867,15.5 C48.1@20.75,15.5 ; R25.1@33.5,8.3 v1(33.5,9.25) ; v1(44.958,16.764) 44.964,16.764 45.95,17.75 C57.1@46,17.75 ; C30.1@45.681,14.986 v1(46.662,14.986) ; v1(67.6,20.561) C32.1@67.6,21.25 ; C45.1@82.423,24.757 82.473,24.757 82.54,24.69 83.81,24.69 SW6.2@84,24.5 ; C46.1@82.423,52.697 82.439,52.681 83.819,52.681 SW4.2@84,52.5 ; C21.1@93.977,27.686 93.977,25.911 v1(93.98,25.908) ; C28.1@96.647,48.633 96.697,48.633 97.874,49.81 98.31,49.81 98.31,50.095 96.766,51.639 C29.1@96.766,51.689 ; C18.1@96.766,20.828 96.766,20.878 97.063,21.175 97.406,21.175 98.232,22 SW6.4@98.5,22 ; C17.1@96.774,19.677 C18.1@96.774,20.828
  Bottom Layer(powersupply_signals) w2.54: J4.1@75.5,4.5 J4.1@75.73,4.27
  other v1: 29.21,24.511
  other v2: 73.5,3.5 77.5,3.75 73.5,5.5 77.5,5.5
ISO_5V: C49.2 C50.2 C52.2 D3.1 R55.2 R56.2 R60.2 U10.8 U11.4 | length 79.2
  Top Layer(signal) w0.508: v1(4.445,65.659) 4.572,65.659 5.842,66.929 v1(5.842,68.961) ; R60.2@19.45,49 19.45,50.311 v1(19.558,50.419) 31.242,50.419 v1(35.738,54.915) ; v1(42.799,57.785) 42.799,56.706 43.749,55.756 43.749,55.556 D3.1@43.622,55.429
  Bottom Layer(powersupply_signals) w0.508: C50.2@4.318,62.619 5.345,62.619 5.434,62.708 5.943,62.708 U11.4@6.003,62.768 ; v1(4.445,65.659) 4.445,64.759 5.643,63.561 5.643,62.9 5.739,62.804 U11.4@6.039,62.804 U11.4@6.003,62.768 ; v1(5.842,68.961) R56.2@23.199,68.961 ; C49.2@6.095,60.704 6.003,60.796 U11.4@6.003,62.768 ; C49.2@6.347,60.452 7.403,60.452 7.701,60.154 7.701,59.404 7.933,59.171 7.986,59.171 8.766,58.391 C52.2@8.766,58.166 8.965,57.967 8.965,56.504 9.949,55.52 12.552,55.52 R55.2@12.573,55.541 16.087,55.541 19.558,52.07 v1(19.558,50.419) ; v1(35.738,54.915) 38.608,57.785 v1(42.799,57.785)
LED_OUTPUT_ON/OFF: R23.2 U1.30 | length 58.3
  Top Layer(signal) w0.254: R23.2@8.255,7.281 7.535,7.281 7.217,6.963 7.217,6.16 10.837,2.54 24.156,2.54 26.751,5.135 26.751,5.923 28.054,7.226 28.842,7.226 32.887,11.271 32.887,11.44 41.656,20.208 41.656,20.796 41.453,21 41.488,21.035 41.488,21.628 v1(41.5,21.641) ; v1(48.895,28.829) 48.895,28.882 48.947,28.934 U1.30@48.947,29.374
  Bottom Layer(powersupply_signals) w0.254: v1(41.5,21.641) 44.065,24.206 44.065,24.279 48.197,28.41 48.456,28.41 48.875,28.829 v1(48.895,28.829)
NetC1_2: C1.2 U1.20 X1.1 | length 12.8
  Top Layer(signal) w0.254: C1.2@48.514,18.534 48.564,18.534 48.794,18.764 49.215,18.764 49.304,18.675 v1(49.304,18.671) ; v1@49.389,18.757 49.551,18.595 49.551,18.521 49.762,18.31 50.162,18.31 50.635,17.837 X1.1@50.635,17.687 ; U1.20@50.154,25.64 51.02,25.64 51.257,25.404 51.257,25.096 51.865,24.488 51.865,24.081 v1(52.705,23.241)
  Bottom Layer(powersupply_signals) w0.254: v1(49.304,18.671) 50.96,20.327 51.087,20.327 52.705,21.945 v1(52.705,23.241)
NetC2_2: C2.2 R9.2 X1.3 | length 4.6
  Top Layer(signal) w0.254: R9.2@49.149,13.801 49.191,13.758 50.765,13.758 C2.2@50.808,13.801 ; C2.2@50.808,13.716 50.808,13.766 51.332,14.29 52.069,14.29 52.235,14.456 X1.3@52.235,15.587
NetC25_1: C25.1 U2.3 U2.4 U2.5 | length 18.9
  Bottom Layer(powersupply_signals) w0.254: U2.3@3.81,18.034 1.935,18.034 1.808,17.907 ; U2.4@3.81,19.304 1.808,19.304 ; U2.5@3.81,20.574 2.279,20.574 1.808,20.103 1.808,19.304 ; C25.1@5.072,11.049 5.072,10.348 4.923,10.199 3.973,10.199 1.808,12.364 1.808,17.907 ; 1.808,17.907 1.808,19.304
NetC31_2: C31.2 Q2.2 R54.1 U3.1 U3.2 U3.3 U3.9 U7.1 U7.2 U7.3 U7.9 U9.7 | length 65.1
  Top Layer(signal) w0.762: Q2.2@25.95,17.75 Q2.2@25,17.75 ; Q2.2@25.95,20.45 Q2.2@25,20.45 Q2.2@25,17.75 ; v1(26.162,14.859) 25,16.021 Q2.2@25,17.75
  Bottom Layer(powersupply_signals) w0.254: 23.521,14.25 26.107,14.25
  Bottom Layer(powersupply_signals) w0.508: C31.2@22.5,11.1 22.5,12.467 23.392,13.359 23.392,14.121 23.521,14.25 ; 26.107,14.25 26.439,14.582 28.063,16.206 34.333,16.206 35.539,15 R54.1@36.775,15
  Bottom Layer(powersupply_signals) w0.762: v1(26.162,14.859) 26.439,14.582 ; R54.1@36.775,15 36.775,14.928 36.844,14.859 38.368,14.859 39.477,13.75 41.304,13.75 ; U7.9@41.75,18 41.75,14.196 41.304,13.75 ; U3.9@66.75,17.75 66.75,15.417 64.822,13.489 55.574,13.489 55.026,14.038 50.619,14.038 50.162,13.58 41.474,13.58 41.304,13.75
  other v3: 66.25,17.25 67.25,17.25 41.25,17.5 42.25,17.5 66.25,18.25 67.25,18.25 41.25,18.5 42.25,18.5
NetC32_2: C32.2 R27.2 R29.2 U3.4 U7.4 | length 49.9
  Top Layer(signal) w0.254: v1(69.5,20) 70.038,19.462 71.788,19.462 73.75,17.5 77.603,17.5 77.605,17.502 77.802,17.502 R29.2@78,17.7 78.198,17.502 78.742,17.502 78.744,17.5 R27.2@79.45,17.5
  Bottom Layer(powersupply_signals) w0.254: U7.4@40.35,18.75 39.578,18.75 39.429,18.899 39.429,19.109 39.751,19.431 40.132,19.431 40.64,19.939 45.563,19.939 45.934,19.568 46.131,19.568 46.736,18.963 46.736,17.018 47.48,16.274 53.48,16.274 54.061,16.855 57.948,16.855 59.092,15.711 60.669,15.711 63.458,18.5 U3.4@65.35,18.5 65.35,19.6 65.75,20 ; C32.2@65.9,21.25 65.9,20.15 65.75,20 ; v1(69.5,20) 65.75,20
NetC33_2: C33.2 R32.2 R33.1 | length 2.9
  Top Layer(signal) w0.254: R33.1@92.704,8.491 92.754,8.491 93.602,7.643 93.857,7.643 C33.2@94,7.5 94.055,7.445 95.049,7.445 R32.2@95.104,7.391
NetC34_2: C34.2 R33.2 R34.1 | length 2.9
  Top Layer(signal) w0.254: R34.1@90.304,8.491 90.354,8.491 91.261,7.584 91.361,7.584 C34.2@91.504,7.441 91.529,7.416 92.679,7.416 R33.2@92.704,7.391
NetC35_2: C35.2 R34.2 U4.3 | length 24.2
  Top Layer(signal) w0.254: U4.3@74.275,20.225 74.32,20.18 76.389,20.18 v1(76.409,20.159) ; v1(80,16.75) 80.441,16.309 80.441,16.154 83.91,12.684 85.066,12.684 88,9.75 88,8 88.459,7.541 C35.2@89.104,7.541 89.179,7.466 90.229,7.466 R34.2@90.304,7.391
  Bottom Layer(powersupply_signals) w0.254: v1(76.409,20.159) 76.448,20.159 76.857,19.75 80,19.75 v1(80,16.75)
NetC36_1: C36.1 R39.2 U5.1 | length 9.9
  Top Layer(signal) w0.254: C36.1@85.5,9.5 v1(86.25,9.5) ; U5.1@86.375,6.05 86.375,5.125 85.55,4.3 R39.2@85.55,4.25 85.55,4.2 85.748,4.002 86.195,4.002 86.447,3.75 v1(86.5,3.75)
  Bottom Layer(powersupply_signals) w0.254: v1(86.25,9.5) 86.25,4 v1(86.5,3.75)
NetC36_2: C36.2 R38.2 U5.4 | length 9.4
  Top Layer(signal) w0.254: U5.4@83.625,7.95 83.625,8.75 ; C36.2@84.5,9.5 83.849,9.5 83.625,9.276 83.625,8.75 ; R38.2@87.75,5.3 87.75,6.25 87.933,6.433 87.933,7.521 86.704,8.75 83.625,8.75
NetC37_2: C37.2 R35.2 R36.1 | length 3.1
  Top Layer(signal) w0.254: R36.1@92.75,5.05 92.8,5.05 93.866,3.984 93.961,3.984 C37.2@94.104,3.841 94.129,3.816 95.279,3.816 R35.2@95.304,3.791
NetC38_2: C38.2 R36.2 R37.1 | length 3
  Top Layer(signal) w0.254: R37.1@90.304,5.091 90.354,5.091 91.311,4.134 91.311,4.084 91.454,3.941 C38.2@91.504,3.941 91.508,3.945 92.745,3.945 R36.2@92.75,3.95
NetC39_2: C39.2 R37.2 R38.1 | length 2.6
  Top Layer(signal) w0.254: R38.1@87.75,4.2 87.83,4.12 89.024,4.12 C39.2@89.104,4.041 89.129,4.016 90.279,4.016 R37.2@90.304,3.991
NetC40_1: C40.1 Q2.1 R42.1 R43.2 | length 23.7
  Top Layer(signal) w0.254: R42.1@18.85,10.8 18.85,10.85 19.515,11.515 19.828,11.515 20.252,11.939 v1(20.261,11.939) ; v1(20.9,10.3) 22.8,10.3 23.25,10.75 27.561,10.75 27.71,10.899 27.71,13.174 27.902,13.365 28.825,13.365 29.256,13.797 29.256,13.807 29.674,14.225 29.674,15.076 29.15,15.6 C40.1@29.1,15.6 29.092,15.608 29.092,16.658 R43.2@28.975,16.775 ; Q2.1@26.9,20.45 26.9,19.201 27.546,18.555 28.435,18.555 28.852,18.138 28.852,16.998 R43.2@29.05,16.8
  Bottom Layer(powersupply_signals) w0.254: v1(20.261,11.939) 20.223,11.902 20.223,11.823 20.169,11.769 20.169,10.826 20.658,10.338 20.862,10.338 v1(20.9,10.3)